# KiCad board carrier.kicad_pcb (continued)
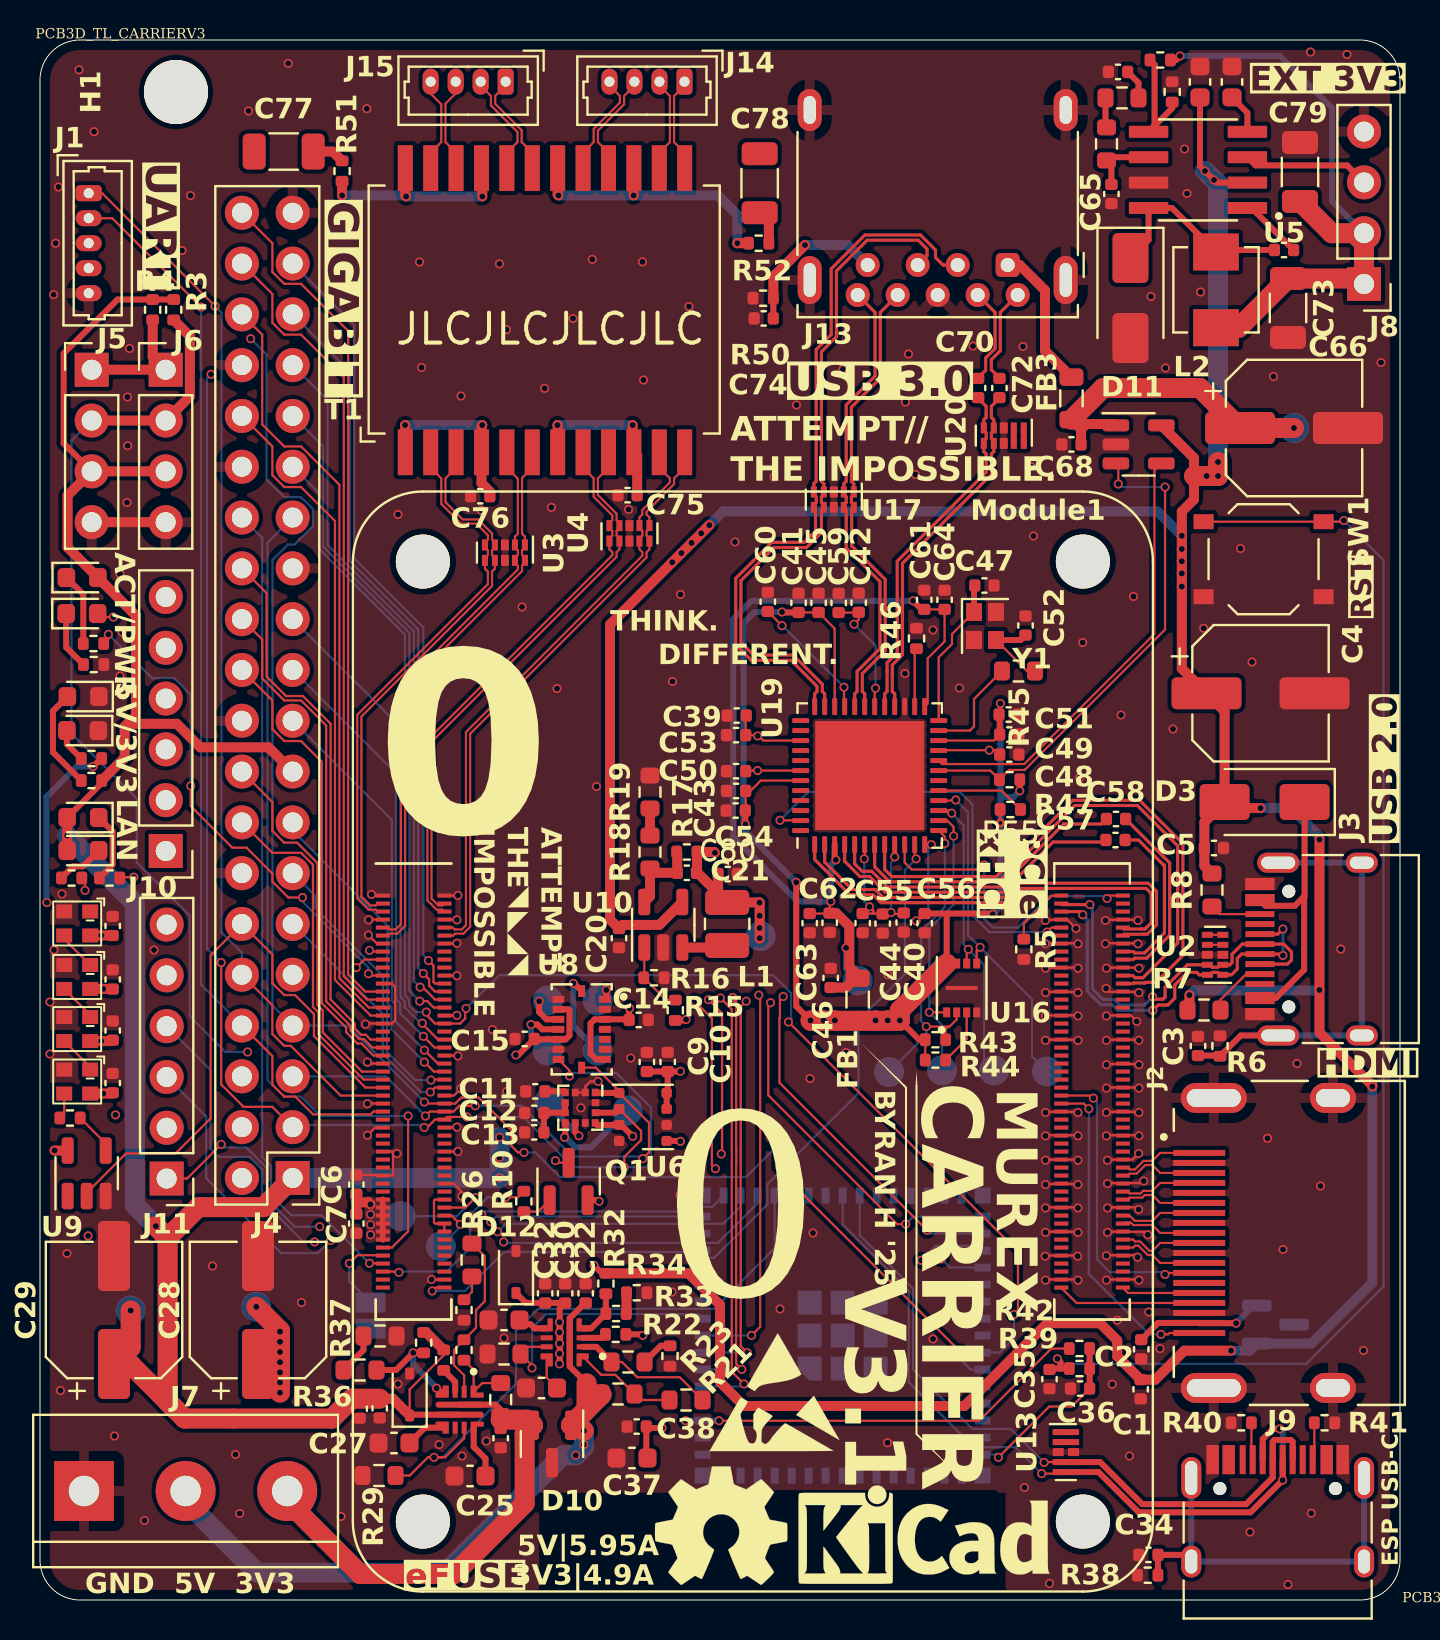
[diagram p0: board, top side]
## Routing (per net, layer and track width the routed paths; a pad name or vN(x,y) marks a point on that pad's centre or on a via; arc(x,y) is an arc through that point) (continued)
/CM4_GPIO/BT_nDis: length 4.3
  Top w0.11: v1(15.46,16.83) 15.87,17.24 17.12,17.24 Module1.91
  Bottom w0.11: JP1.1 15.46,15.94 v1(15.46,16.83)
/CM4_GPIO/CT1: length 8.7
  Top w0.5: v1(29.63,58.75) 29.63,57.45 T1.10 29.86,57.22 C75.1 ; v1(25.87,58.75) 25.88,58.74 T1.7
  Bottom w0.5: v1(25.87,58.75) v1(29.63,58.75)
/CM4_GPIO/CT2: length 9
  Top w0.5: C76.1 22.49,55.42 22.07,55.84 T1.4 22.07,58.71 v1(22.11,58.75) ; v1(18.25,58.75) 18.26,58.74 T1.1
  Bottom w0.5: v1(18.25,58.75) v1(22.11,58.75)
/CM4_GPIO/ETH_LEDG: length 17.3
  Top w0.11: 17.13,32.02 16.22,32.02 v1(15.81,31.62) ; v1(2.25,35.48) 2.25,35.94 R12.2
  In2.Cu w0.11: v1(15.81,31.62) 15.16,32.28 9.82,32.28 6.67,35.43 2.3,35.43 v1(2.25,35.48)
/CM4_GPIO/ETH_LEDY: length 14.7
  Top w0.11: v1(4.69,36.14) 4.03,36.14 R13.2 ; v1(16.48,32.48) 16.54,32.42 17.13,32.42
  In2.Cu w0.11: v1(4.69,36.14) 6.27,36.14 9.91,32.5 16.46,32.5 v1(16.48,32.48)
/CM4_GPIO/GPIO6: length 33.3
  Top w0.11: 20.21,29.62 19.69,29.62 19.37,29.94 v1(18.98,29.94)
  Bottom w0.11: J4.31 14.16,57.68 14.16,52.67 18.47,48.35 18.47,30.46 v1(18.98,29.94)
/CM4_GPIO/GPIO7: length 27.5
  Top w0.11: 17.13,28.02 16.53,28.02 16.29,28.26 16.06,28.26 15.75,28.57 15.75,28.81 14.53,30.02 14.53,43.81 13.15,45.2 12.3,45.2 11.33,46.17 11.33,50.35 J4.26
/CM4_GPIO/GPIO8: length 25.3
  Top w0.11: 17.13,27.62 16.62,27.62 16.2,28.04 15.97,28.04 15.53,28.48 15.53,28.71 14.31,29.93 14.31,43.72 13.05,44.98 12.21,44.98 11.11,46.08 11.11,48.03 J4.24
/CM4_GPIO/GPIO9: length 22.3
  Top w0.11: Module1.40 19.73,27.62 v1(19.17,28.18)
  Bottom w0.11: v1(19.17,28.18) 18.01,29.34 18.01,29.84 17.81,30.04 17.81,41.33 J4.21
/CM4_GPIO/GPIO10: length 20.5
  Top w0.11: 20.21,26.82 19.89,26.82 v1(19.22,27.49)
  Bottom w0.11: J4.19 17.59,39.01 17.59,29.95 17.79,29.75 17.79,28.92 v1(19.22,27.49)
/CM4_GPIO/GPIO11: length 24.4
  Top w0.11: 20.21,28.02 19.9,28.02 19.11,28.81 v1(19.11,28.84)
  Bottom w0.11: J4.23 18.03,43.65 18.03,30.14 18.23,29.93 18.23,29.63 19.03,28.84 v1(19.11,28.84)
/CM4_GPIO/GPIO12: length 33.7
  Top w0.11: 17.13,29.22 16.53,29.22 14.75,31 14.75,53.95 13.05,55.65 12.21,55.65 11.62,56.24 11.62,57.68 J4.32
/CM4_GPIO/GPIO13: length 35.2
  Top w0.11: v1(19.01,30.64) 19.13,30.64 19.75,30.02 20.21,30.02
  Bottom w0.11: v1(19.01,30.64) 18.69,30.96 18.69,48.44 14.38,52.76 14.38,60 J4.33
/CM4_GPIO/GPIO16: length 38.5
  Top w0.11: J4.36 11.11,63.27 11.11,58.78 12.21,57.68 13.05,57.68 14.97,55.76 14.97,31.09 16.44,29.62 17.13,29.62
/CM4_GPIO/GPIO17: length 12.3
  Top w0.11: 20.21,25.62 19.74,25.62 v1(19.52,25.4)
  Bottom w0.11: v1(19.52,25.4) 19.05,25.4 17.13,27.31 17.13,29.3 J4.11
/CM4_GPIO/GPIO18: length 30.2
  Top w0.11: U9.2 2.33,20.36 4.3,22.32 6.77,22.32 8.53,24.08 8.53,32.24 J4.12 11.62,32.28 11.62,30.84 12.21,30.25 12.75,30.25 13.7,29.3 13.7,28.2 16.28,25.62 17.13,25.62
/CM4_GPIO/GPIO19: length 37.3
  Top w0.11: v1(19.16,31.33) 19.46,31.03 19.46,30.72 19.75,30.42 20.21,30.42
  Bottom w0.11: v1(19.16,31.33) 18.91,31.57 18.91,48.53 15.49,51.95 15.49,61.42 J4.35
/CM4_GPIO/GPIO20: length 40.7
  Top w0.11: 17.13,30.02 16.35,30.02 15.19,31.19 15.19,61.13 13.05,63.27 12.21,63.27 11.62,63.86 11.62,65.3 J4.38
/CM4_GPIO/GPIO21: length 42.9
  Top w0.11: 17.13,30.42 16.26,30.42 15.41,31.28 15.41,63.45 13.05,65.81 12.21,65.81 11.62,66.4 11.62,67.84 J4.40
/CM4_GPIO/GPIO22: length 15.9
  Top w0.11: v1(19.22,26.9) 19.69,26.42 20.21,26.42
  Bottom w0.11: J4.15 12.63,38.46 17.37,33.72 17.37,29.86 17.57,29.66 17.57,28.54 v1(19.22,26.9)
/CM4_GPIO/GPIO23: length 17.2
  Top w0.11: 17.13,26.02 16.19,26.02 13.92,28.29 13.92,29.39 13.65,29.66 13.65,36.76 13.05,37.36 11.62,37.36 J4.16
/CM4_GPIO/GPIO24: length 18.9
  Top w0.11: 17.13,26.42 16.1,26.42 14.14,28.38 14.14,29.48 13.87,29.75 13.87,36.85 12.86,37.87 12.21,37.87 11.62,38.46 11.62,39.9 J4.18
/CM4_GPIO/GPIO25: length 23.1
  Top w0.11: J4.22 11.62,44.98 11.62,43.54 12.21,42.95 13.05,42.95 14.09,41.91 14.09,29.84 15.31,28.62 15.31,28.39 15.87,27.82 16.07,27.82 16.67,27.22 17.13,27.22
/CM4_GPIO/GPIO26: length 39.4
  Top w0.11: 20.21,30.82 19.75,30.82 19.68,30.9 19.68,31.72 v1(19.42,31.98)
  Bottom w0.11: J4.37 15.71,63.74 15.71,52.09 19.17,48.64 19.17,32.23 v1(19.42,31.98)
/CM4_GPIO/GPIO27: length 14.3
  Top w0.11: 20.21,26.02 19.57,26.02 v1(19.55,26)
  Bottom w0.11: v1(19.55,26) 18.76,26 17.35,27.4 17.35,29.57 17.15,29.77 17.15,31.2 13.75,34.59 13.75,35.22 J4.13
/CM4_GPIO/nEXTRST: length 40.6
  Top w0.11: U19.11 43.73,37.13 v1(43.81,37.06) ; Module1.100 19.78,15.62 v1(19.61,15.45)
  Bottom w0.11: v1(43.81,37.06) 43.25,36.5 43.25,31.3 40.92,28.97 40.92,25.34 36.37,20.79 36.37,19.78 33.7,17.11 32.57,17.11 32.28,17.4 23.2,17.4 21.25,15.45 v1(19.61,15.45)
/CM4_GPIO/nPWR_LED: length 9.7
  Top w0.11: 17.13,16.42 17.91,16.42 v1(17.95,16.38) ; v1(23.28,20.14) 23.89,20.14 R10.1
  Bottom w0.11: v1(17.95,16.38) 18,16.43 20.34,16.43 21.51,17.59 21.51,19.26 22.38,20.14 v1(23.28,20.14)
/CM4_GPIO/nRPIBOOT: length 41.5
  Top w0.11: 17.13,16.82 17.12,16.84 v1(16.48,16.84)
  Bottom w0.11: v1(16.48,16.84) 14.07,19.24 12.55,19.24 11.55,20.25 11.55,21.7 11.11,22.14 11.11,53.11 J4.28
/CM4_GPIO/REF1: length 1.7
  Top w0.5: R52.2 36.44,68.9 C78.1
/CM4_GPIO/REF2: length 1.6
  Top w0.5: R51.2 14.64,72.42 C77.1
/CM4_GPIO/TRD0+: length 4.8
  Top w0.107: T1.13 32.23,72.36 31.7,72.89 31.7,74.57 31.7,74.58 31.7,75.2 32.22,75.72 J14.1
/CM4_GPIO/TRD0-: length 4.8
  Top w0.107: T1.14 30.96,72.36 31.49,72.89 31.49,74.49 31.49,75.2 30.97,75.72 J14.2
/CM4_GPIO/TRD0_N: length 29.5
  Top w0.107: 20.21,33.62 20.63,33.62 20.73,33.53 21.09,33.53 21.3,33.74 21.3,43.4 30.12,52.22 30.12,52.39 29.97,52.54 U4.4 29.97,53.07 30.12,53.22 30.12,53.45 29.97,53.59 U4.7 29.97,54.13 30.12,54.28 30.12,54.5 31.49,55.88 31.49,56.08 30.96,56.61 T1.11
/CM4_GPIO/TRD0_P: length 29.9
  Top w0.107: T1.12 32.23,56.61 31.7,56.08 31.7,55.79 30.33,54.42 30.33,54.28 30.47,54.13 U4.6 30.47,53.59 30.33,53.45 30.33,53.22 30.47,53.07 U4.5 30.47,52.54 30.33,52.39 30.33,52.13 21.51,43.31 21.51,33.65 21.17,33.32 20.75,33.32 20.66,33.22 20.21,33.22
/CM4_GPIO/TRD1+: length 5.3
  Top w0.107: T1.16 28.42,72.36 27.89,72.89 27.89,73.47 29.2,74.78 29.2,75.2 29.72,75.72 J14.3
/CM4_GPIO/TRD1-: length 5.3
  Top w0.107: T1.17 27.15,72.36 27.68,72.89 27.68,73.56 28.99,74.87 28.99,75.2 28.47,75.72 J14.4
/CM4_GPIO/TRD1_N: length 28.2
  Top w0.107: 20.21,34.42 20.12,34.52 19.83,34.52 19.37,34.98 19.37,42.99 28.62,52.24 28.62,52.39 28.47,52.54 U4.1 28.47,53.07 28.62,53.22 28.62,53.45 28.47,53.59 U4.10 28.47,53.84 28.62,53.99 28.62,54.23 27.68,55.16 27.68,56.08 27.15,56.61 T1.8
/CM4_GPIO/TRD1_P: length 27.8
  Top w0.107: 20.21,34.82 20.12,34.73 19.92,34.73 19.58,35.07 19.58,42.9 28.83,52.15 28.83,52.39 28.97,52.54 U4.2 28.97,53.07 28.83,53.22 28.83,53.45 28.97,53.59 U4.9 28.97,53.84 28.83,53.99 28.83,54.32 27.89,55.25 27.89,56.08 28.42,56.61 T1.9
/CM4_GPIO/TRD2+: length 5.3
  Top w0.107: J15.1 23.28,75.73 22.76,75.2 22.76,74.81 24.08,73.49 24.08,72.89 24.61,72.36 T1.19
/CM4_GPIO/TRD2-: length 5.3
  Top w0.107: T1.20 23.34,72.36 23.87,72.89 23.87,73.4 22.55,74.73 22.55,75.2 22.03,75.72 J15.2
/CM4_GPIO/TRD2_N: length 27.5
  Top w0.107: T1.5 23.34,56.61 23.89,56.07 23.89,53.31 23.75,53.16 U3.2 23.75,52.63 23.89,52.48 23.89,52.25 23.75,52.11 U3.9 23.75,51.86 23.89,51.71 23.89,51.53 18.05,45.68 18.05,33.8 17.78,33.53 17.48,33.53 17.38,33.62 17.13,33.62
/CM4_GPIO/TRD2_P: length 27.9
  Top w0.107: T1.6 24.61,56.61 24.1,56.1 24.1,53.31 24.25,53.16 U3.1 24.25,52.63 24.1,52.48 24.1,52.25 24.25,52.11 U3.10 24.25,51.86 24.1,51.71 24.1,51.44 18.26,45.6 18.26,33.71 17.86,33.32 17.48,33.32 17.38,33.22 17.13,33.22
/CM4_GPIO/TRD3+: length 4.8
  Top w0.107: J15.3 20.78,75.33 20.27,74.82 20.27,72.89 20.8,72.36 T1.22
/CM4_GPIO/TRD3-: length 4.8
  Top w0.107: T1.23 19.53,72.36 20.06,72.89 20.06,74.79 19.53,75.32 J15.4
/CM4_GPIO/TRD3_N: length 28.4
  Top w0.107: T1.2 19.53,56.61 20.06,56.08 20.06,54.81 21.05,53.82 21.82,53.82 22.39,53.24 22.39,53.02 22.25,52.88 U3.5 22.25,52.63 22.39,52.48 22.39,52.25 22.25,52.11 U3.6 22.25,51.57 22.39,51.42 22.39,50.79 15.86,44.26 15.86,35.08 16.43,34.52 16.79,34.52 16.88,34.42 17.13,34.42
/CM4_GPIO/TRD3_P: length 28.1
  Top w0.107: T1.3 20.8,56.61 20.27,56.08 20.27,54.89 21.14,54.03 21.9,54.03 22.6,53.33 22.6,53.02 22.75,52.88 U3.4 22.75,52.63 22.6,52.48 22.6,52.25 22.75,52.11 U3.7 22.75,51.57 22.6,51.42 22.6,50.71 16.07,44.17 16.07,35.17 16.51,34.73 16.79,34.73 16.88,34.82 17.13,34.82
/CM4_GPIO/WL_nDis: length 43.8
  Top w0.11: 17.13,17.62 17.59,17.62 18.41,18.43 v1(18.41,24.2)
  Bottom w0.11: J4.27 11.38,52.87 11.38,26 12.21,25.17 13.05,25.17 14.02,24.2 v1(18.41,24.2)
/CM4_HighSpeed/HDMI0_CEC: length 15.3
  Top w0.11: v1(52.67,25.09) 52.54,25.22 51.05,25.22 ; J2.13 56.33,16.35 v1(56.25,16.28)
  Bottom w0.11: v1(52.67,25.09) 52.85,24.91 52.85,17.04 53.49,16.4 56.13,16.4 v1(56.25,16.28)
/CM4_HighSpeed/HDMI0_CK_N: length 4.2
  Top w0.107: 54.13,17.62 54.66,17.62 54.75,17.72 54.92,17.72 55.39,17.25 55.61,17.25 56.01,16.85 J2.12
/CM4_HighSpeed/HDMI0_CK_P: length 4.2
  Top w0.107: J2.10 56.01,17.85 55.61,17.46 55.47,17.46 55,17.93 54.75,17.93 54.66,18.02 54.13,18.02
/CM4_HighSpeed/HDMI0_D0_N: length 4.1
  Top w0.107: 54.13,18.82 54.24,18.82 54.29,18.87 54.53,18.87 54.65,18.75 55.61,18.75 56.01,18.35 J2.9
/CM4_HighSpeed/HDMI0_D0_P: length 4.1
  Top w0.107: J2.7 56.01,19.35 55.61,18.96 54.74,18.96 54.48,19.22 54.13,19.22
/CM4_HighSpeed/HDMI0_D1_N: length 4.1
  Top w0.107: 54.13,20.02 54.38,20.02 54.48,20.12 55.11,20.12 55.24,20.25 55.61,20.25 56.01,19.85 J2.6
/CM4_HighSpeed/HDMI0_D1_P: length 4.1
  Top w0.107: 54.13,20.42 54.38,20.42 54.48,20.33 55.02,20.33 55.15,20.46 55.61,20.46 56.01,20.85 J2.4
/CM4_HighSpeed/HDMI0_D2_N: length 4.2
  Top w0.107: 54.13,21.22 54.38,21.22 54.48,21.32 54.83,21.32 55.27,21.75 55.61,21.75 56.01,21.35 J2.3
/CM4_HighSpeed/HDMI0_D2_P: length 4.2
  Top w0.107: 54.13,21.62 54.38,21.62 54.48,21.53 54.75,21.53 55.18,21.96 55.61,21.96 56.01,22.35 J2.1
/CM4_HighSpeed/HDMI0_HOTPLUG: length 16.6
  Top w0.11: v1(52.44,24.57) 52.18,24.82 51.05,24.82 ; v1(56.05,13.28) 56.4,13.28 56.48,13.35 J2.19
  Bottom w0.11: v1(52.44,24.57) 52.44,16.3 55.46,13.28 v1(56.05,13.28)
/CM4_HighSpeed/HDMI0_SCL: length 3.9
  Top w0.11: 54.13,15.62 54.4,15.35 J2.15
/CM4_HighSpeed/HDMI0_SDA: length 7.2
  Top w0.11: 51.05,15.62 51.82,14.85 J2.16
/CM4_HighSpeed/HDMI_5v: length 6.5
  Top w0.3: C2.1 55.9,13.85 J2.18 57.97,13.84 v1(59.81,13.84)
  Bottom w0.3: v1(59.81,13.84) 60.69,14.72 U1.2
/CM4_HighSpeed/PCIE_CLK_N: length 22.3
  Top w0.159: U19.2 39.23,36.89 40.61,35.52 41.76,35.52 42.16,35.13 48.25,35.13 48.96,35.84 55.42,35.84 55.82,35.43 55.82,33.75 55.36,33.29 55.19,33.29 55.18,33.29 54.2,33.29 54.13,33.22
/CM4_HighSpeed/PCIE_CLK_nREQ: length 15.7
  Top w0.11: v1(47.21,36.75) 46.98,36.53 43.59,36.53 43.23,36.88 U19.10 ; 54.13,35.22 53.5,35.22 v1(53.36,35.07)
  Bottom w0.11: v1(47.21,36.75) 47.21,34.06 47.64,33.63 48.91,33.63 50.48,35.2 53.23,35.2 v1(53.36,35.07)
/CM4_HighSpeed/PCIE_CLK_P: length 21.9
  Top w0.159: U19.1 38.73,37.03 40.5,35.26 41.66,35.26 42.05,34.87 48.35,34.87 49.07,35.58 55.31,35.58 55.56,35.32 55.56,33.86 55.26,33.55 55.08,33.55 55.07,33.55 54.21,33.55 54.13,33.62
/CM4_HighSpeed/PCIE_nRST: length 21.9
  Top w0.11: 51.05,33.62 50.58,33.62 v1(50.36,33.4) ; v1(37,38.99) 38.02,38.99 U19.47
  Bottom w0.11: v1(37,38.99) 38.42,40.41 45.99,40.41 46.62,39.77 46.62,34.24 47.46,33.4 v1(50.36,33.4)
/CM4_HighSpeed/PCIE_RX_N: length 9.6
  Top w0.159: 54.13,32.02 54.66,32.02 54.73,32.09 55.33,32.09 56.48,33.24 56.48,36.86 56.17,37.17 56.16,37.17 C58.1
/CM4_HighSpeed/PCIE_RX_P: length 8.4
  Top w0.159: 54.13,32.42 54.66,32.42 54.73,32.35 55.23,32.35 56.22,33.35 56.22,36.75 56.18,36.75 54.92,38 C57.1
/CM4_HighSpeed/PCIE_TX_N: length 28
  Top w0.159: U19.8 42.23,36.52 42.59,36.17 47.82,36.17 51.63,39.99 54.98,39.99 57.14,37.82 57.14,32.23 55.8,30.88 55.28,30.88 55.25,30.85 54.69,30.85 54.66,30.82 54.13,30.82
/CM4_HighSpeed/PCIE_TX_P: length 27.4
  Top w0.159: 54.13,31.22 54.64,31.22 54.75,31.11 55.15,31.11 56.88,32.85 56.88,37.71 54.87,39.72 51.74,39.72 47.92,35.91 42.48,35.91 41.73,36.66 U19.7
/CM4_HighSpeed/USB2_N: length 20.2
  Top w0.159: 51.05,34.82 51.11,34.77 v1(52.49,34.77) ; J3.B7 62.37,31.8 62.57,32 62.57,32.41 62.18,32.8 J3.A7 60.11,32.8 59.6,32.29 59.6,31.87 59.49,31.76 U2.2 59.02,31.76 58.9,31.64 58.61,31.64 58.5,31.76 U2.9 57.38,31.76 56.25,30.64 56.25,30.15 56.15,30.04 55.75,30.04 v1(55.63,30.16)
  Bottom w0.159: v1(52.49,34.77) 52.62,34.64 52.62,30.56 53.16,30.02 53.72,30.02 54,29.75 55.22,29.75 v1(55.63,30.16)
/CM4_HighSpeed/USB2_P: length 19.9
  Top w0.159: v1(55.64,29.49) 55.91,29.75 56.39,29.75 56.74,30.09 56.74,30.75 57.36,31.38 57.84,31.38 57.96,31.26 U2.10 58.5,31.26 58.61,31.38 58.9,31.38 59.02,31.26 U2.1 59.57,31.26 59.86,31.55 59.86,32.08 60.08,32.3 J3.A6 62.08,32.3 v1(62.14,32.23) ; 51.05,34.42 51.98,34.42 v1(52.14,34.26) ; J3.B6 61.89,33.3 v1(62.14,33.55)
  Bottom w0.159: v1(55.64,29.49) 53.89,29.49 53.62,29.76 53.05,29.76 52.36,30.45 52.36,34.04 v1(52.14,34.26) ; v1(62.14,32.23) v1(62.14,33.55)
/CM4_HighSpeed/USB3/A+3.3v: length 45.5
  Top w0.11: v1(39.54,34.92) 39.48,34.87 C62.1 39.46,34.32 C63.1 ; 39.79,37.71 U19.3 ; C61.1 C64.1 45.23,47.93 44.38,47.08 44.38,44.82 U19.25
  Top w0.3: U19.3 39.73,37.06 v1(39.79,37) ; C61.1 44.08,49.53 v1(43.65,49.96)
  Top w0.5: C62.1 39.81,34.34 40.46,33.69 40.46,31.66 40.77,31.35 40.77,31.1 40.29,30.62 C46.1
  Bottom w0.3: v1(39.79,37) 39.54,36.75 v1(39.54,34.92) 37.89,34.92 34.66,38.15 34.66,49.04 35.58,49.96 v1(43.65,49.96) ; TP11.1 40.3,31.56 v1(40.3,32.61)
/CM4_HighSpeed/USB3/OCI1B: length 25.2
  Top w0.11: U18.3 53.91,56.71 v1(53.91,55.8) ; v1(56.25,55.65) 56.25,48.52 49.23,41.5 48.45,41.5 R47.1 47.51,41.47 U19.19
  Bottom w0.11: v1(56.25,55.65) 54.07,55.65 v1(53.91,55.8)
/CM4_HighSpeed/USB3/PETX+: length 15.6
  Top w0.159: C57.2 53.19,37.9 50.65,37.9 48.14,35.39 42.27,35.39 41.48,36.18 41,36.18 40.23,36.94 U19.4
/CM4_HighSpeed/USB3/PETX-: length 15.4
  Top w0.159: U19.5 40.73,36.81 41.1,36.44 41.59,36.44 42.37,35.65 48.03,35.65 51.18,38.8 53.07,38.8 C58.2
/CM4_HighSpeed/USB3/PPON1: length 22.2
  Top w0.11: U18.4 55.72,56.48 55.72,48.3 49.21,41.8 45.11,41.8 U19.20
/CM4_HighSpeed/USB3/SPICSB: length 14.7
  Top w0.11: v1(44.47,29.38) 44.47,29.38 U16.1 ; v1(45.68,38.2) 45.68,38.65 45.36,38.97 U19.14
  Bottom w0.11: v1(45.68,38.2) 45.68,34.77 44.47,33.56 v1(44.47,29.38) 45.1,28.75 TP15.1
/CM4_HighSpeed/USB3/SPISCK: length 15.2
  Top w0.11: v1(45.58,39.34) 45.45,39.47 U19.15 ; v1(46.42,32.53) 46.33,32.45 U16.6
  Bottom w0.11: v1(45.58,39.34) 46.18,38.74 46.18,32.77 v1(46.42,32.53) 47.2,31.75 47.2,26.97 TP14.1
/CM4_HighSpeed/USB3/SPISI: length 17.2
  Top w0.11: U16.5 46.83,32.46 v1(47.01,32.64) ; v1(45.79,40) 45.76,39.97 U19.16
  Bottom w0.11: TP16.1 49.6,27.17 49.6,30.04 v1(47.01,32.64) 46.4,33.24 46.4,39.38 v1(45.79,40)
/CM4_HighSpeed/USB3/SPISO: length 16.3
  Top w0.11: v1(44.31,28.67) 45.38,28.67 ; R43.1 45.28,28.52 45.43,28.67 45.48,28.67 45.83,29.03 U16.2 ; v1(45.24,37.83) 45.24,38.17 U19.13
  Bottom w0.11: v1(45.24,37.83) 45.24,34.64 44.06,33.46 44.06,28.93 v1(44.31,28.67) 44.31,28.26 TP17.1
/CM4_HighSpeed/USB3/SSTX+: length 4.9
  Top w0.159: J13.9 48.01,64.38 48.01,62.47 47.56,62.02 47.56,61.9 47.57,61.89 47.57,61.51 47.97,61.11 C72.2
/CM4_HighSpeed/USB3/SSTX-: length 4.9
  Top w0.159: C70.2 46.9,61.11 47.28,61.49 47.28,62.1 47.75,62.57 47.75,64.38 J13.8
/CM4_HighSpeed/USB3/U2D+: length 34.1
  Top w0.159: J13.3 44.35,67.22 44.35,67.55 43.91,67.99 41.36,67.99 39.82,66.45 39.82,63.16 39.07,62.41 39.07,55.93 39.19,55.81 U17.4 39.19,55.28 39.07,55.16 39.07,54.88 39.19,54.76 U17.7 39.07,54.51 39.07,53.37 38.32,52.62 36.7,52.62 35.05,50.97 35.05,47.88 35.68,47.24 37.66,47.24 39.11,45.79 39.11,45.43 39.23,45.31 U19.35
/CM4_HighSpeed/USB3/U2D-: length 35.7
  Top w0.159: J13.2 45.15,66.75 44.77,67.12 44.77,67.5 44.02,68.25 41.25,68.25 39.56,66.56 39.56,63.27 38.81,62.52 38.81,55.93 38.69,55.81 U17.5 38.69,55.28 38.81,55.16 38.81,54.88 38.69,54.76 U17.6 38.78,54.55 38.78,53.44 38.21,52.88 36.59,52.88 34.79,51.08 34.79,47.77 35.57,46.98 37.55,46.98 38.85,45.68 38.85,45.43 38.73,45.31 U19.36
/CM4_HighSpeed/USB3/U3RXD+: length 22.9
  Top w0.159: J13.6 42.01,64.38 42.01,61.09 40.57,59.65 40.57,55.93 40.69,55.81 U17.1 40.69,55.28 40.57,55.16 40.57,54.88 40.69,54.76 U17.10 40.58,54.52 40.58,52.7 42.26,51.03 42.26,47.47 41.11,46.32 41.11,45.43 41.23,45.31 U19.31
/CM4_HighSpeed/USB3/U3RXD-: length 23
  Top w0.159: U19.32 40.73,45.31 40.85,45.43 40.85,46.43 42,47.57 42,50.92 40.31,52.61 40.31,54.51 U17.9 40.19,54.76 40.31,54.88 40.31,55.16 40.19,55.28 U17.2 40.19,55.81 40.31,55.93 40.31,59.75 41.75,61.2 41.75,64.38 J13.5
/CM4_HighSpeed/USB3/U3TXD+: length 17.9
  Top w0.159: U19.28 42.73,45.31 42.61,45.43 42.61,46.35 42.61,46.35 42.61,46.75 43.12,47.26 43.12,51.83 47.57,56.28 47.57,57.3 47.69,57.42 U20.7 47.69,57.96 47.57,58.08 47.57,58.36 47.69,58.48 U20.4 47.69,59.01 47.57,59.13 47.57,59.41 47.57,59.41 47.57,59.69 47.97,60.09 C72.1
/CM4_HighSpeed/USB3/U3TXD-: length 17.9
  Top w0.159: C70.1 46.9,60.09 47.31,59.69 47.31,59.31 47.31,59.31 47.31,59.13 47.19,59.01 U20.5 47.19,58.48 47.31,58.36 47.31,58.08 47.19,57.96 U20.6 47.19,57.42 47.31,57.3 47.31,56.39 42.86,51.94 42.86,47.37 42.35,46.86 42.35,46.45 42.35,46.45 42.35,45.43 42.23,45.31 U19.29
/CM4_HighSpeed/USBOTG_ID: length 3.2
  Top w0.11: 51.05,35.22 50.59,35.22 49.19,33.82 R5.1
/ESP32-S3/ADC1_CH0: length 52.7
  Top w0.11: v1(35.2,10.8) 34.59,11.41 34.59,21.96 34.59,21.97 34.59,22.48 34.59,22.48 34.59,29.53 v1(34.02,30.1)
  In2.Cu w0.11: v1(34.02,30.1) 26.67,37.45 J10.1
  Bottom w0.11: v1(35.2,10.8) 35.07,10.67 U14.5
/ESP32-S3/ADC1_CH1: length 53.2
  Top w0.11: v1(35.09,11.53) 34.81,11.81 34.81,21.87 34.81,21.87 34.81,22.57 34.81,22.57 34.81,29.95 v1(34.63,30.13)
  In2.Cu w0.11: J10.2 24.77,39.99 v1(34.63,30.13)
  Bottom w0.11: U14.6 35.08,11.52 v1(35.09,11.53)
/ESP32-S3/ADC1_CH2: length 54.4
  Top w0.11: v1(35.36,12.37) 35.03,12.69 35.03,29.67 v1(35.31,29.94)
  In2.Cu w0.11: v1(35.31,29.94) 35.31,30.2 22.98,42.53 J10.3
  Bottom w0.11: v1(35.36,12.37) 35.36,12.37 U14.7
/ESP32-S3/ADC1_CH3: length 55.5
  Top w0.11: v1(35.58,13.23) 36.01,13.66 36.01,30.18 v1(35.94,30.24)
  In2.Cu w0.11: J10.4 21.11,45.07 v1(35.94,30.24)
  Bottom w0.11: U14.8 35.57,13.22 v1(35.58,13.23)
/ESP32-S3/ADC1_CH4: length 13.3
  Top w0.11: v1(24.6,11.6) 24.6,11.72 R28.1 24.38,12.66 U11.9
  Bottom w0.11: U14.9 32.91,14.3 25.3,14.3 24.6,13.6 v1(24.6,11.6)
/ESP32-S3/ADC2_CH0: length 31
  Top w0.11: v1(9.06,22.78) 7.35,21.07 J11.1
  In2.Cu w0.11: v1(22.54,18.91) 21.48,17.85 15.4,17.85 14.59,18.67 v1(13.99,18.67)
  Bottom w0.11: v1(13.99,18.67) 12.73,18.67 11.33,20.07 11.33,21.61 10.32,22.63 9.21,22.63 v1(9.06,22.78) ; U14.15 22.8,19.17 v1(22.54,18.91)
/ESP32-S3/ADC2_CH1: length 31.1
  In2.Cu w0.11: v1(22.08,19.26) 19.46,19.26 13.86,24.86 7.59,24.86 J11.2
  Bottom w0.11: v1(22.08,19.26) 22.25,19.43 32.34,19.43 32.57,19.66 33.62,19.66 U14.16
/ESP32-S3/ADC2_CH2: length 36
  In2.Cu w0.11: v1(22.88,18.41) 22.1,17.63 14.87,17.63 v1(14.53,17.98)
  Bottom w0.11: U14.17 35.03,19.67 34.17,18.81 23.27,18.81 v1(22.88,18.41) ; v1(14.53,17.98) 13.9,17.34 12.06,17.34 8.31,21.09 8.31,24.18 J11.3
/ESP32-S3/ADC2_CH3: length 39
  In2.Cu w0.11: v1(23.18,17.9) 22.52,17.24 14.39,17.24 v1(13.73,17.9)
  Bottom w0.11: v1(13.73,17.9) 13.18,17.9 11.11,19.97 11.11,21.52 10.48,22.15 8.94,22.15 8.53,22.56 8.53,26.5 J11.4 ; U14.18 35.88,19.84 33.89,17.85 23.23,17.85 v1(23.18,17.9)
/ESP32-S3/ADC2_CH4: length 30.7
  Top w0.11: v1(19.7,7.13) 20.08,7.13 ; 20.08,7.13 19.39,7.13 18.48,6.22 R29.1 ; 20.08,7.13 20.25,7.13 21.21,8.09 U12.9
  Bottom w0.11: v1(19.7,7.13) 20.14,7.13 23.8,10.8 23.8,13.46 24.9,14.56 33.7,14.56 36.73,17.59 U14.19
/ESP32-S3/EN: length 8.8
  Top w0.11: C36.1 51.59,9.67 50.46,9.67 v1(47.92,7.13)
  Top w0.3: R42.2 C36.1
  Bottom w0.11: v1(47.92,7.13) 47.78,7.27 U14.45
/ESP32-S3/IO35: length 56.1
  Top w0.11: v1(36.53,29.86) 36.41,29.75 36.41,25.24 42.86,18.79 v1(43.28,18.79)
  In2.Cu w0.11: J10.5 19.32,47.61 36.53,30.41 v1(36.53,29.86)
  Bottom w0.11: v1(43.28,18.79) 43.66,19.17 U14.31
/ESP32-S3/IO36: length 56.8
  Top w0.11: v1(44.36,18.48) 36.97,25.87 36.97,29.09 37,29.12 37,30.02 v1(37.15,30.17)
  In2.Cu w0.11: v1(37.15,30.17) 17.18,50.15 J10.6
  Bottom w0.11: v1(44.36,18.48) 44.52,18.32 U14.32
/ESP32-S3/IO37: length 59.5
  Top w0.11: v1(32.73,29.94) 33.59,29.08 33.59,21.74 v1(33.77,21.56)
  In2.Cu w0.11: v1(44.05,16.98) 44.05,17.01 39.51,21.56 v1(33.77,21.56) ; J11.5 7.54,30.03 16.9,30.03 18.25,31.38 18.25,35.53 19.57,36.85 25.82,36.85 v1(32.73,29.94)
  Bottom w0.11: U14.33 46.89,17.71 44.78,17.71 v1(44.05,16.98)
/ESP32-S3/IO38: length 60.4
  Top w0.11: v1(33.42,30.02) 34.1,29.33 34.1,22.34 v1(34.06,22.3)
  In2.Cu w0.11: v1(45.06,17.05) 44.68,17.44 43.96,17.44 39.44,21.97 34.4,21.97 v1(34.06,22.3) ; v1(33.42,30.02) 30.19,33.24 30.19,33.24 26.28,37.16 19.42,37.16 18,35.73 18,31.57 16.68,30.25 9.67,30.25 6.33,33.59 J11.6
  Bottom w0.11: U14.34 45.5,16.62 v1(45.06,17.05)
/ESP32-S3/USB_N: length 38.6
  Top w0.11: v1(50.08,6.32) 50.83,6.32 U13.5
  Top w0.3: J9.A7 v1(62.13,5.99) 60.52,4.38 54.94,4.38 52.93,6.4 U13.6 U13.5 ; J9.B7 61.13,8.04 61.65,8.56 v1(61.99,8.56)
  Bottom w0.11: U14.23 40.13,18.78 43.43,15.48 43.43,10.89 46.69,7.64 48.76,7.64 v1(50.08,6.32)
  Bottom w0.3: v1(62.13,5.99) 62.13,8.41 v1(61.99,8.56)
/ESP32-S3/USB_P: length 34.9
  Top w0.11: U13.4 50.22,6.9 v1(50.21,6.88)
  Top w0.3: U13.4 U13.7 53.01,6.9 55.11,4.79 60.3,4.79 61.63,6.12 J9.A6 61.63,7.91 61.72,8 62.54,8 62.63,7.91 J9.B6
  Bottom w0.11: v1(50.21,6.88) 48.53,8.56 46.62,8.56 43.65,11.52 43.65,15.57 40.98,18.24 U14.24
/Power/EN: length 6.4
  Top w0.3: U5.3 60.78,71.73 65.35,71.73 J8.3
/RPI_RX0: length 53
  Top w0.11: J1.1 3.1,70.34 v1(8.75,64.69) ; 17.13,25.22 15.03,25.22 12.54,27.71 12.21,27.71 11.62,28.3 11.62,29.74 J4.10
  Bottom w0.11: J4.10 10.09,32.37 9.08,33.38 9.08,64.36 v1(8.75,64.69)
/RPI_RX1: length 93.4
  Top w0.11: v1(19.31,29.39) 19.31,29.26 19.75,28.82 20.21,28.82 ; Module1.34 21.01,28.82 21.26,29.07 21.26,29.53 v1(21.3,29.58) ; v1(48.7,14.27) 48.9,14.47 48.9,17.42 v1(37.42,28.9)
  In2.Cu w0.11: J4.29 11.33,57.97 11.33,64.79 10.61,65.52 5.02,65.52 2.69,67.84 J1.3
  Bottom w0.11: J4.29 13.94,55.36 13.94,52.57 18.25,48.26 18.25,30.23 18.45,30.02 18.45,29.72 18.78,29.39 v1(19.31,29.39) ; v1(21.3,29.58) 22.97,31.24 36.66,31.24 37.56,30.34 37.56,29.03 v1(37.42,28.9) ; v1(48.7,14.27) 48.7,13.09 47.98,12.37 U14.39
/RPI_TX0: length 54
  Top w0.11: 17.13,24.42 16.67,24.42 16.53,24.28 13.65,24.28 12.77,25.17 12.21,25.17 11.62,25.76 11.62,27.2 J4.8 ; J1.2 3.61,69.09 v1(8.05,64.65)
  Bottom w0.11: v1(8.05,64.65) 8.05,30.76 J4.8
/RPI_TX1: length 91.6
  Top w0.11: 20.21,24.82 19.29,24.82 v1(19.22,24.9) ; v1(36.83,22.67) 36.83,21.6 v1(46.02,12.4) ; Module1.54 20.76,24.82 21.06,25.12 21.93,25.12 23.58,23.47 23.58,22.7 23.9,22.37 v1(24.2,22.37)
  In2.Cu w0.11: v1(10.53,63.06) 5.96,63.06 J1.4
  Bottom w0.11: v1(24.2,22.37) 24.77,22.37 26,21.15 35.3,21.15 v1(36.83,22.67) ; v1(46.02,12.4) 46.02,12.03 46.54,11.52 U14.40 ; v1(10.53,63.06) 11.33,62.27 11.33,56.02 12.21,55.14 13.05,55.14 13.65,54.54 13.65,53.7 12.72,52.78 12.39,52.78 11.62,52 11.62,29.74 J4.7 15.39,28.72 v1(19.22,24.9)
/SCL: length 75.9
  Top w0.11: v1(30.14,22.07) 30.45,22.38 30.45,23.86 U6.4 28.96,25.45 27.79,26.62 U8.8 ; v1(21.76,24.71) 20.96,24.71 20.67,24.42 19.49,24.42 v1(19.27,24.2)
  Top w0.3: U6.4 27.79,25.35 U7.1
  Top w0.5: R3.2 7.49,63.19 7.49,60.18 J6.2 J5.2
  In2.Cu w0.11: v1(10.38,27.4) 11.41,27.4 J4.5
  Bottom w0.11: J4.5 17.29,26.18 v1(19.27,24.2) ; v1(10.38,27.4) 9.26,27.4 7.48,29.18 7.48,34.23 4.84,36.87 4.84,40.07 1.57,43.34 1.57,57.96 J5.2 ; v1(30.14,22.07) 30.04,22.17 26.62,22.17 24.08,24.71 v1(21.76,24.71)
/SDA: length 82.1
  Top w0.11: J4.3 11.62,24.66 10.18,24.66 9.06,25.78 v1(9.06,31.87) ; v1(21.35,24.15) 20.34,24.15 20.21,24.02 19.75,24.02 19.36,23.63 v1(19.21,23.63) ; U8.9 26.47,26.48 v1(26.47,26.2) ; U6.3 30.05,23.46 30.05,23 29.22,22.16 v1(29.22,21.64)
  Top w0.3: U6.3 28.77,24.36 U7.11
  Top w0.5: R4.1 5.63,62.16 J6.1 J5.1
  In2.Cu w0.11: J6.1 8.27,61.51 8.5,61.29 v1(8.55,61.29)
  Bottom w0.11: v1(9.06,31.87) 8.35,32.58 8.35,61.08 v1(8.55,61.29) ; v1(26.47,26.2) 26.62,26.35 28.83,26.35 30.55,24.63 30.55,21.9 30.28,21.64 v1(29.22,21.64) 26.67,21.64 24.16,24.15 v1(21.35,24.15) ; v1(19.21,23.63) 19.09,23.75 12.74,23.75 J4.3
Net-(C35-Pad2): length 65.7
  Top w0.11: SW1.2 SW1.2 65.14,53.92 v1(65.19,53.97)
  Top w0.3: v1(50.87,12.06) 51.02,11.91 51.02,11.57 ; 51.02,11.57 R39.1 ; 51.02,11.57 50.52,11.57 C35.2
  Bottom w0.11: v1(65.19,53.97) 67.17,51.99 67.17,15.67 63.31,11.81 51.12,11.81 v1(50.87,12.06)
Net-(C52-Pad1): length 4.2
  Top w0.11: R45.1 49.35,46.45 Y1.3
  Top w0.3: C52.1 49.03,48 Y1.3
Net-(C67-Pad1): length 1.5
  Top w0.3: R49.2 54.92,75.86 C67.1
Net-(D1-A): length 1.7
  Top w0.3: R1.2 1.34,42.79 D1.2
Net-(D2-A): length 5.1
  Top w0.3: D2.2 0.65,44.45 0.65,42.39 R2.2
Net-(D4-K): length 3.6
  Top w0.3: R9.1 2.16,50.28 D4.1
Net-(D5-A): length 48.7
  Top w0.11: v1(3.67,49.15) 3.06,49.15 D5.2 ; v1(25.77,21.97) 25.87,21.87 Q1.3
  In2.Cu w0.11: v1(3.67,49.15) 1.84,47.32 1.84,35.31 3.47,33.69 3.47,32.64 6.37,29.74 13.25,29.74 13.87,29.11 13.87,25.17 17.32,21.71 25.52,21.71 v1(25.77,21.97)
Net-(D5-K): length 2.9
  Top w0.3: D5.1 1.31,47.64 R11.1
Net-(D6-DIN): length 1.3
  Top w0.11: R14.2 1.21,24.32 D6.4
Net-(D6-DOUT): length 2
  Top w0.11: D7.4 2.51,26.65 D6.2
Net-(D7-DOUT): length 1.9
  Top w0.11: D7.2 2.51,29.25 D8.4
Net-(D8-DOUT): length 2
  Top w0.11: D9.4 1.21,33.05 D8.2
Net-(D11-K): length 10.1
  Top w0.3: D11.1 55.43,68.01 U5.8 56.6,69.6 L2.2 58.9,67.5 C71.2
Net-(D14-K): length 2.4
  Top w0.3: R12.1 1.65,36.68 2.14,36.68 D14.1
Net-(D15-K): length 3.6
  Top w0.3: D15.1 3.63,38.42 3.63,36.76 R13.1
Net-(J3-CC1): length 3
  Top w0.11: J3.A5 60.31,31.3 59.02,30.01 R7.1
Net-(J3-CC2): length 2.6
  Top w0.11: R8.1 58.98,34.3 J3.B5
Net-(J3-SHIELD): length 21.5
  Top w0.3: J3.S1 60.04,28.23 R6.1 58.97,27.22 C3.1
  Bottom w0.3: J3.S1 J3.S1 J3.S1 J3.S1
Net-(J9-CC1): length 1.9
  Top w0.11: R40.1 60.57,7.08 J9.A5
Net-(J9-CC2): length 1.9
  Top w0.11: J9.B5 63.72,7.1 R41.1
Net-(J9-SHIELD): length 19.8
  Top w0.3: R38.1 55.9,2.25 C34.1 57.23,2.26 J9.S1
  Bottom w0.3: J9.S1 J9.S1 J9.S1 J9.S1
Net-(J13-GND): length 7.9
  Top w0.3: C74.1 36.67,64.08 R50.1
  Top w0.5: v1(38.25,67.75) 36.67,66.17 R50.1
  Bottom w0.5: J13.4 40.38,67.75 v1(38.25,67.75)
Net-(J13-VBUS): length 7.3
  Top w0.5: FB3.2 50.25,62.47 50.25,65.48 48.98,66.75 J13.1
Net-(Module1A-PI_nLED_Activity): length 25.1
  Top w0.11: R9.2 3.42,48.06 v1(3.42,48.28) ; v1(13.12,35.12) 12.42,35.12 11.62,35.92 11.62,36.32 10.33,37.61 9.62,37.61 7.54,39.69 v1(7.54,40.7) ; v1(16.42,31.31) 16.52,31.22 17.13,31.22
  Bottom w0.11: v1(3.42,48.28) 5.61,46.09 6.71,46.09 7.54,45.26 v1(7.54,40.7) ; v1(16.42,31.31) 16.42,31.61 13.12,34.92 v1(13.12,35.12)
Net-(Module1A-SCL0): length 5.9
  Top w0.11: Module1.80 21.27,19.62 v1(21.77,20.12)
  Bottom w0.11: TP12.1 20.84,19.19 v1(21.77,20.12)
Net-(Module1A-SDA0): length 2.5
  Top w0.11: Module1.82 20.57,19.22 v1(21.01,18.78)
  Bottom w0.11: v1(21.01,18.78) 21.01,18.65 TP13.1
Net-(Q1-B): length 1.5
  Top w0.11: Q1.1 24.91,19.42 R10.2
Net-(R18-Pad2): length 1.3
  Top w0.5: R19.1 R18.2
Net-(R22-Pad2): length 1.6
  Top w0.3: R23.1 31.03,12.71 R22.2
Net-(R26-Pad2): length 1.3
  Top w0.11: R26.2 21.6,15.41 R27.1
Net-(R33-Pad2): length 1
  Top w0.5: R34.1 29.33,14.33 R33.2
Net-(R36-Pad2): length 2.1
  Top w0.3: R36.2 16.17,12.5 R37.1
Net-(R48-Pad2): length 1.5
  Top w0.3: R49.1 53.27,73.68 R48.2
Net-(R51-Pad1): length 10.6
  Top w0.5: T1.21 22.11,71.55 v1(22.11,70.18) ; R51.1 v1(15.1,70.23) ; v1(18.3,70.18) 18.26,70.22 T1.24
  Bottom w0.5: v1(15.1,70.23) 18.25,70.23 v1(18.3,70.18) v1(22.11,70.18)
Net-(R52-Pad1): length 14.1
  Top w0.5: v1(25.92,70.23) 25.88,70.27 T1.18 ; R52.1 34.87,67.84 v1(34.86,67.84) ; T1.15 29.68,71.58 v1(29.68,70.23)
  Bottom w0.5: v1(25.92,70.23) v1(29.68,70.23) 33.9,70.23 34.86,69.26 v1(34.86,67.84)
Net-(U5-BOOT): length 3.2
  Top w0.3: C71.1 60.58,69.6 U5.1
Net-(U5-COMP): length 3.5
  Top w0.3: C65.1 53.57,71.73 R48.1 53.48,72.14 U5.6
Net-(U5-SS): length 2
  Top w0.3: U5.4 60.37,74.36 C69.1
Net-(U5-VSENSE): length 5.8
  Top w0.3: R54.1 56.61,74.59 U5.5 55.73,73.71 55.73,76.77 R53.2
Net-(U7-C1): length 1
  Top w0.3: C11.1 26.21,25.43 U7.4
Net-(U7-DRDY): length 3
  Top w0.3: v1(26.95,23.21) 26.76,23.39 U7.8
  Bottom w0.3: v1(26.95,23.21) 25.47,24.69 TP1.1
Net-(U7-INT): length 4.9
  Top w0.3: v1(26.23,23.14) 26.26,23.17 U7.7
  Bottom w0.3: v1(26.23,23.14) 26.27,23.14 26.77,22.64 27.55,22.64 TP2.1
Net-(U7-Vdd): length 2.7
  Top w0.3: C13.2 C12.2 ; C12.2 25.21,24.36 U7.6 U7.5 ; C12.2 25.19,24.2
Net-(U8-INT1): length 4.4
  Top w0.3: U8.16 26.69,30.84 v1(26.66,30.84)
  Bottom w0.3: v1(26.66,30.84) 26.66,28.69 TP3.1
Net-(U8-INT2): length 1.2
  Top w0.3: v1(28.31,30.5) 28.31,30.09 U8.1
  Bottom w0.3: TP4.1 27.88,30.07 v1(28.31,30.5)
Net-(U8-INT3): length 3.1
  Top w0.3: U8.12 25.11,28.53 24.87,28.77 v1(24.55,28.77)
  Bottom w0.3: TP5.1 24.55,28.3 v1(24.55,28.77)
Net-(U8-INT4): length 2.1
  Top w0.3: U8.13 25.32,29.03 24.96,29.4 v1(24.96,29.94)
  Bottom w0.3: v1(24.96,29.94) 24.99,29.97 TP6.1
Net-(U9-Y): length 2.2
  Top w0.11: R14.1 3.28,22.83 U9.4
Net-(U10-EN): length 3.6
  Top w0.11: R16.1 31.3,30 R15.2 ; R16.1 30.22,31.09 ; R16.1 30.21,31.14 U10.1
Net-(U10-FB): length 4.3
  Top w0.5: R17.2 31.86,37.37 C21.2 30.71,36.36 R18.1 30.5,35.19 U10.5
Net-(U10-LX): length 2.3
  Top w0.5: U10.3 34.25,32.62 L1.1
Net-(U11-dVdt): length 1.2
  Top w0.3: U11.7 24.74,13.58 24.53,13.79 24.22,13.79
Net-(U11-EN/UVLO): length 5.2
  Top w0.11: R21.1 30.02,10 R20.2 28.77,11.26 28.06,11.26 U11.1
Net-(U11-ITIMER): length 1.8
  Top w0.11: U11.10 25.33,11.12 C24.1
Net-(U11-OVLO): length 7.1
  Top w0.11: R21.2 31.99,11.14 29.86,11.14 29.1,11.9 R22.1
  Top w0.3: U11.2 27.82,12.66 R22.1
Net-(U11-PG): length 1.2
  Top w0.3: R30.2 28.1,13.11 U11.3
Net-(U11-PGTH): length 2.5
  Top w0.3: R32.2 R33.1 27.55,13.58 U11.4
Net-(U12-dVdt): length 2.1
  Top w0.3: C27.1 19.24,8.62 U12.7
Net-(U12-EN/UVLO): length 3.3
  Top w0.11: R24.2 22.11,10.85 U12.1 21.68,11.51 R25.1
Net-(U12-ITIMER): length 2.7
  Top w0.3: U12.10 21.68,7.66 22.27,7.07 C25.1
Net-(U12-OVLO): length 8.5
  Top w0.11: U12.2 21.21,11.23 20.7,11.74 20.7,12.51 R25.2 21.8,13.61 21.8,14.5 22.24,14.94 22.24,17.18 R26.1
Net-(U12-PG): length 1.3
  Top w0.3: R31.2 20.76,10.91 U12.3
Net-(U12-PGTH): length 5.5
  Top w0.3: U12.4 20,10.42 v1(19.83,10.59) ; R36.1 17.8,11.5 v1(18.66,12.36) R35.2
  Bottom w0.3: v1(18.66,12.36) 18.66,11.78 19.83,10.61 v1(19.83,10.59)
Net-(U16-~{WP}): length 2.8
  Top w0.11: U16.3 46.33,28.05 R44.2
Net-(U19-OCI2B): length 4.5
  Top w0.11: R55.1 48.08,40.47 U19.17
Net-(U19-RREF): length 2.9
  Top w0.11: U19.26 43.73,47.47 R46.1
Net-(U19-XT1): length 7.5
  Top w0.11: Y1.1 45.6,48.3 45.6,47.8 44.93,47.13 U19.24
  Top w0.3: C47.1 46.7,50.68 Y1.1
Net-(U19-XT2): length 5.2
  Top w0.11: R45.2 46.7,45.05 46.7,43.68 46.49,43.47 U19.23
unconnected-(U2-D2+-Pad4): length 0.8
  Top w0.11: U2.7 U2.4
unconnected-(U2-D2--Pad5): length 0.8
  Top w0.11: U2.6 U2.5
unconnected-(U13-D1+-Pad1): length 0.8
  Top w0.3: U13.1 U13.10
unconnected-(U13-D1--Pad2): length 0.8
  Top w0.3: U13.2 U13.9
unconnected-(U20-D1+-Pad1): length 0.8
  Top w0.3: U20.1 U20.10
unconnected-(U20-D1--Pad2): length 0.8
  Top w0.3: U20.2 U20.9

## Copper pours and planes (outline as drawn; the poured copper is in the pictures)
+3.3v on In2.Cu: 22.3,19.02 23.38,18.01 27.96,18.01 28.97,16.99 28.97,7.85 29.99,6.83 34.05,6.83 34.05,24.15 43.6,24.15 43.6,29.69 22.3,29.69
/+1.05v on In2.Cu: 33.04,51.08 33.04,31.52 50.31,31.52 50.31,51.08
/+5v on Top: 16.22,20.19 17.54,20.19 17.54,17.85 16.22,17.85
/+5v on In2.Cu: -2.52,35.33 -2.52,7.01 27.78,7.21 28.46,7.9 28.46,17.04 27.96,17.55 22.88,17.55 21.86,18.56 21.86,24.91 5.6,24.66 4.59,25.68 4.59,34.31 3.57,35.33
GND on Top, Bottom, In1.Cu, In2.Cu: -2,79 69.34,79 69.34,-1.23 -2,-1.23

## Text on the board
Bottom Overlay: 0 | SI/CK/CS/SO | BCM GPIO / 8x ADC / 9 DoF / BME680 Gas / 1.05V + / 3.3V DCDC | HDMI 1.4 / USB-C 2.0 / USB-A 3.0 / ESP32-S3 / GIGABIT | 3V3 | ESP32-S3 | BT DISABLE | 3V3  5V  GND | I2C0 | IMU INTRPT | MAG INTRPT | 1.05V | A3V3 | VBUS | 5V | MODIFIED BCM GPIO | GND / EN / 3V3 / 3V3 | /BYRAN / HUANG/ | ATTEMPT THE IMPOSSIBLE | CARRIER / BOARD V3.1 | MUREX / ROBOTICS | DO. / IT. / RIGHT_
Top Overlay: JLCJLCJLCJLC | 0 | PCB3D_TL_CARRIERV3 | PCB3D_BR_CARRIERV3 | ESP USB-C | ATTEMPT / THE / IMPOSSIBLE | THINK. / DIFFERENT. | GND  5V  3V3 | 3V3|4.9A | 5V|5.95A | RST | BYRAN H '25 | ACT/PWR | 5V/3V3 | LAN | PCIe / xHCI | eFUSE | ATTEMPT// / THE IMPOSSIBLE. | EXT 3V3 | HDMI | USB 2.0 | UART | GIGABIT | USB 3.0 | MUREX | CARRIER | V3.1
